# Altium PCB PCB1.PcbDoc (part 1 of 5) (continued)
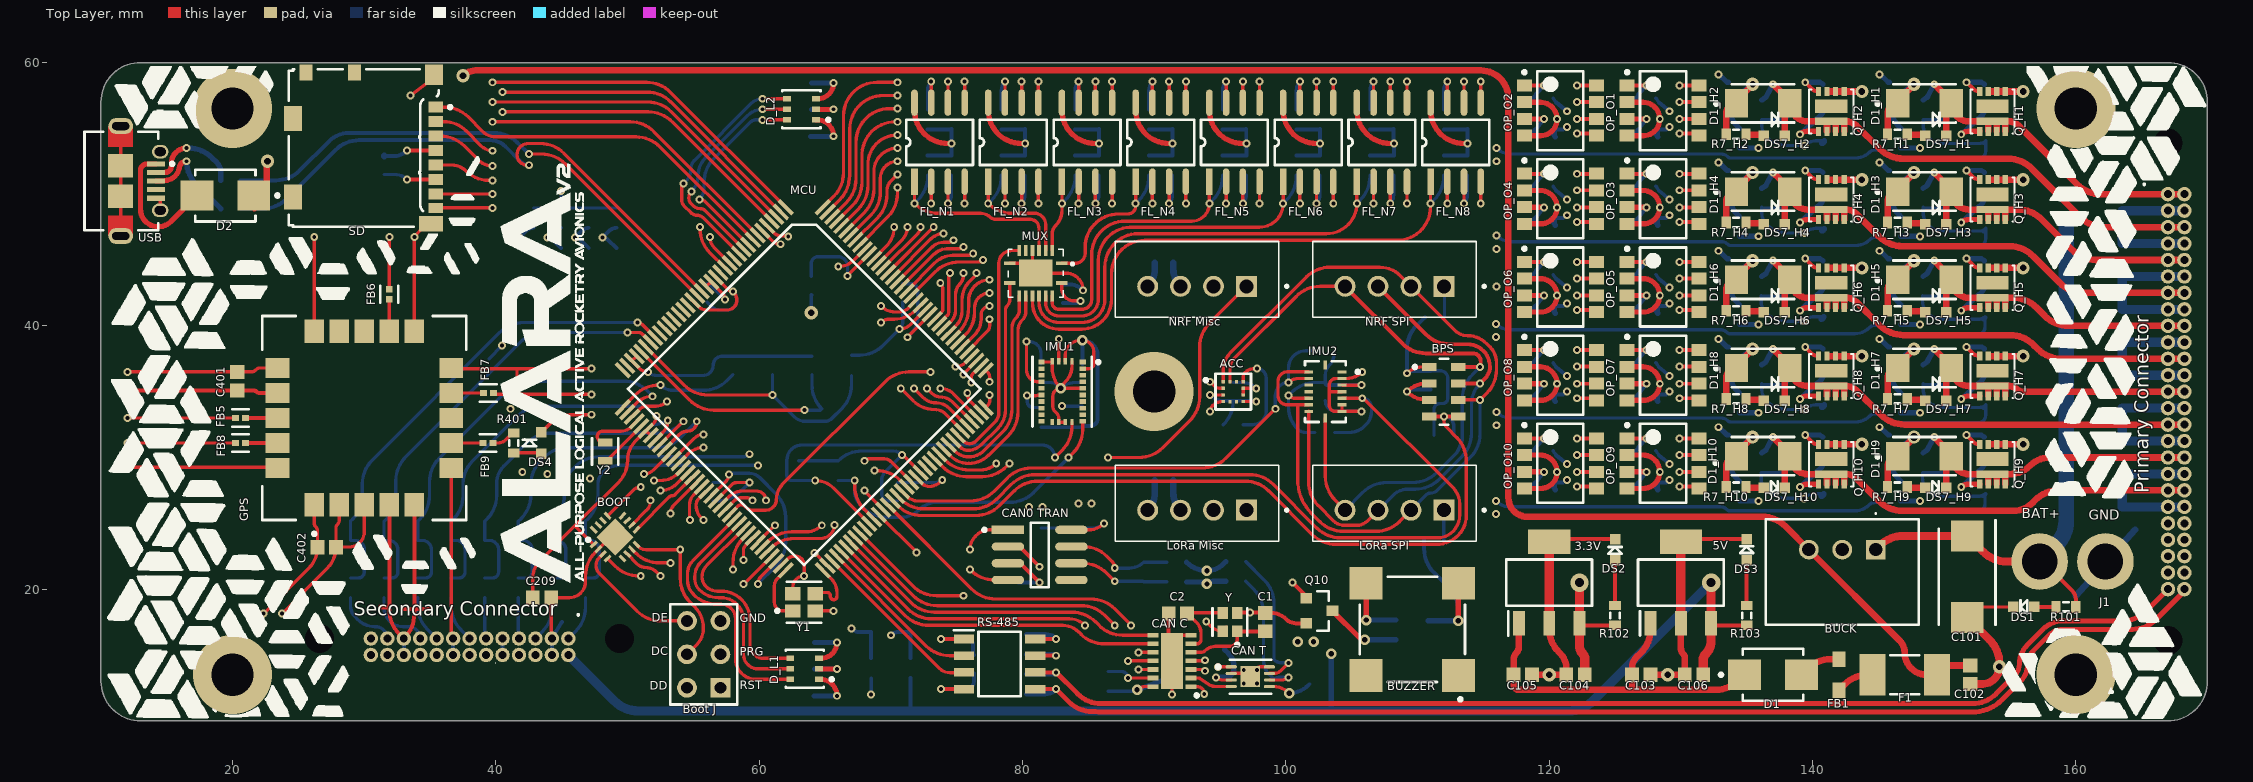
[diagram p0: Top Layer view]
## Classes and differential pairs
component class PTC5: F_PTC5
component class PTC4: F_PTC4
component class PTC3: F_PTC3
component class PTC2: F_PTC2
component class PTC1: F_PTC1
component class F8: C_F8 R1_F8 R2_F8
component class F7: C_F7 R1_F7 R2_F7
component class F6: C_F6 R1_F6 R2_F6
channel class "PTC Fuse": PTC1 PTC2 PTC3 PTC4 PTC5
component class F5: C_F5 PTC_F5 R1_F5 R2_F5
component class F4: C_F4 PTC_F4 R1_F4 R2_F4
component class F3: C_F3 PTC_F3 R1_F3 R2_F3
component class F2: C_F2 PTC_F2 R1_F2 R2_F2
component class F1: C_F1 PTC_F1 R1_F1 R2_F1
channel class "RGB LED": L1 L2
channel class "Jumpers High Low": J1 J2 J3 J4
component class L2: D_L2 LED_L2 R1_L2 R2_L2 R3_L2
component class L1: D_L1 LED_L1 R1_L1 R2_L1 R3_L1
component class J4: "JP H_J4" "JP L_J4"
component class J3: "JP H_J3" "JP L_J3"
component class J2: "JP H_J2" "JP L_J2"
component class J1: "JP H_J1" "JP L_J1"
component class B: C1 C2 C3 C4 C5 "CAN C" "CAN T" R1 R2 Y
channel class "Analog Signal Filter": F1 F2 F3 F4 F5 F6 F7 F8
channel class "Optoisolator Pair": O1 O2 O3 O4 O5 O6 O7 O8 O9 O10
component class O10: OP_O10 R1_O10 R2_O10
component class O9: OP_O9 R1_O9 R2_O9
component class O8: OP_O8 R1_O8 R2_O8
component class O7: OP_O7 R1_O7 R2_O7
component class O6: OP_O6 R1_O6 R2_O6
component class O5: OP_O5 R1_O5 R2_O5
component class O4: OP_O4 R1_O4 R2_O4
component class O3: OP_O3 R1_O3 R2_O3
component class O2: OP_O2 R1_O2 R2_O2
component class O1: OP_O1 R1_O1 R2_O1
component class H10: C_H10 D1_H10 DS7_H10 Q_H10 R3_H10 R4_H10 R5_H10 R6_H10 R7_H10 R8_H10 R9_H10
component class H9: C_H9 D1_H9 DS7_H9 Q_H9 R3_H9 R4_H9 R5_H9 R6_H9 R7_H9 R8_H9 R9_H9
component class H8: C_H8 D1_H8 DS7_H8 Q_H8 R3_H8 R4_H8 R5_H8 R6_H8 R7_H8 R8_H8 R9_H8
component class H7: C_H7 D1_H7 DS7_H7 Q_H7 R3_H7 R4_H7 R5_H7 R6_H7 R7_H7 R8_H7 R9_H7
component class H6: C_H6 D1_H6 DS7_H6 Q_H6 R3_H6 R4_H6 R5_H6 R6_H6 R7_H6 R8_H6 R9_H6
component class H5: C_H5 D1_H5 DS7_H5 Q_H5 R3_H5 R4_H5 R5_H5 R6_H5 R7_H5 R8_H5 R9_H5
component class H4: C_H4 D1_H4 DS7_H4 Q_H4 R3_H4 R4_H4 R5_H4 R6_H4 R7_H4 R8_H4 R9_H4
component class H3: C_H3 D1_H3 DS7_H3 Q_H3 R3_H3 R4_H3 R5_H3 R6_H3 R7_H3 R8_H3 R9_H3
component class H2: C_H2 D1_H2 DS7_H2 Q_H2 R3_H2 R4_H2 R5_H2 R6_H2 R7_H2 R8_H2 R9_H2
component class H1: C_H1 D1_H1 DS7_H1 Q_H1 R3_H1 R4_H1 R5_H1 R6_H1 R7_H1 R8_H1 R9_H1
channel class "High Power Output": H1 H2 H3 H4 H5 H6 H7 H8 H9 H10
channel class "NOR Flash": N1 N2 N3 N4 N5 N6 N7 N8
component class N8: C_N8 FL_N8 R1_N8 R2_N8 R3_N8
component class N7: C_N7 FL_N7 R1_N7 R2_N7 R3_N7
component class N6: C_N6 FL_N6 R1_N6 R2_N6 R3_N6
component class N5: C_N5 FL_N5 R1_N5 R2_N5 R3_N5
component class N4: C_N4 FL_N4 R1_N4 R2_N4 R3_N4
component class N3: C_N3 FL_N3 R1_N3 R2_N3 R3_N3
component class N2: C_N2 FL_N2 R1_N2 R2_N2 R3_N2
component class N1: C_N1 FL_N1 R1_N1 R2_N1 R3_N1
component class Sheet1: 3.3V 5V ACC BOOT "Boot J" BPS BUCK BUZZER C35 C39 C40 C41 C42 C43 C44 C101 C102 C103 C104 C105 C106 C201 C202 C203 C204 C205 C206 C207 C208 C209 C210 C301 C302 C401 C402 C403 C404 C405 C406 C407 C509 C601 C602 C603 C604 "CAN0 TRAN" D1 D2 DS1 DS2 DS3 DS4 F1 FB1 FB2 FB3 FB5 FB6 FB7 FB8 FB9 FL1 GPS IMU1 IMU2 J1 J2 JP1 JP2 JP3 JP4 "LoRa Misc" "LoRa SPI" MCU MUX "NRF Misc" "NRF SPI" "Primary Connector" Q10 R101 R102 R103 R104 R105 R106 R107 R201 R301 R302 R303 R304 R305 R306 R307 R308 R401 R402 R403 R405 R406 R407 R408 R601 R602 R603 RS-485 SD "Secondary Connector" USB Y1 Y2
differential pair RS485_TX: +RS485_TX_P -RS485_TX_N
differential pair RS485_RX: +RS485_RX_P -RS485_RX_N
differential pair CAN: +CAN_P -CAN_N

## Components (designator, comment, footprint, x,y, rotation, side; value= is the part's Value field where it differs from the comment)
3.3V "AZ1117CH2-3.3TRG1" SOT230P700X180-4N 120,20.5 r90 top
5V "AZ1117CH2-5.0TRG1" SOT230P700X180-4N 130,20.5 r90 top
ACC "KX134-1211" FP-KX134-1211-MFG 96,35 r0 top
BOOT "MKL02Z32VFG4" QFN50P300X300X65-17N-D 49.05,23.95 r45 top
"Boot J" "Header 3X2" HDR2X3 57.05,12.51 r90 top
BPS "MS560702BA03-50" TECO-MS560702BA03-50_V 112,35 r0 top locked
BUCK "VR10S09" VR10S09 144.8,23 r180 top
BUZZER "ST-025BH" FP-ST-025BH-MFG 109.6,16.95 r90 top locked
C1 "8pF" CAPC1608X95X40ML15T15 98.45,17.5 r270 top
C2 "8pF" CAPC1608X95X40ML15T15 91.8,18.15 r0 top
C3 "100nF" CAPC1608X95X40ML15T15 91.35,14.225 r270 bottom
C4 "100nF" CAPC1608X95X40ML15T15 101.8,13.5 r270 bottom
C5 "100nF" CAPC1608X95X40ML15T15 95.35,16.1 r270 bottom
C101 "TR3D226M035C0400" CAPPM7343X310N 151.75,20.95 r270 top
C102 "10uF" CAPC1608X95X40ML15T15 152,13.5 r90 top
C103 "10uF" CAPC1608X95X40ML15T15 127,13.5 r180 top
C104 "10uF" CAPC1608X95X40ML15T15 122,13.5 r0 top
C105 "10uF" CAPC1608X95X40ML15T15 118,13.5 r180 top
C106 "10uF" CAPC1608X95X40ML15T15 131,13.5 r0 top
C201 "10uF" CAPC1608X95X40ML15T15 63.95,43.05 r270 bottom
C202 "100nF" CAPC1608X95X40ML15T15 56.05,42.5 r270 bottom
C203 "100nF" CAPC1608X95X40ML15T15 56.5,27.4 r90 bottom
C204 "100nF" CAPC1608X95X40ML15T15 70.5,27.4 r270 bottom
C205 "100nF" CAPC1608X95X40ML15T15 70.9,42.5 r270 bottom
C206 "100nF" CAPC1608X95X40ML15T15 64,37 r270 bottom
C207 "2.2uF" CAPC1608X95X40ML15T15 61,37 r270 bottom
C208 "100nF" CAPC1608X95X40ML15T15 58,37 r270 bottom
C209 "100nF" CAPC1608X95X40ML15T15 43.5,19.35 r180 top
C210 "100nF" CAPC1608X95X40ML15T15 31.5,52.2 r90 bottom
C301 "100nF" CAPC1608X95X40ML15T15 76.3,14.31 r90 bottom
C302 "100nF" CAPC1608X95X40ML15T15 79.7,21.2 r270 bottom
C401 "1uF" CAPC1608X95X40ML15T15 20.35,35.8 r270 top
C402 "100nF" CAPC1608X95X40ML15T15 27.15,23.2 r0 top
C403 "100nF" CAPC1608X95X40ML15T15 111,35.85 r90 bottom
C404 "100nF" CAPC1608X95X40ML15T15 96,35 r270 bottom
C405 "100nF" CAPC1608X95X40ML15T15 84.55,36.4 r90 bottom
C406 "1uF" CAPC1608X95X40ML15T15 81.4,36.4 r90 bottom
C407 "100nF" CAPC1608X95X40ML15T15 103,35 r90 bottom
C509 "100nF" CAPC1608X95X40ML15T15 83.075,42.438 r90 bottom
C601 "10uF" CAPC1608X95X40ML15T15 110.8,16.9 r90 bottom
C602 "10uF" CAPC1608X95X40ML15T15 90.75,28.25 r180 bottom
C603 "10uF" CAPC1608X95X40ML15T15 90.75,44.8 r180 bottom
C604 "10uF" CAPC1608X95X40ML15T15 46.7,12.8 r45 bottom
C_F1 "100nF" CAPC1608X95X40ML15T15 46.8,23 r90 bottom (schematic designator C)
C_F2 "100nF" CAPC1608X95X40ML15T15 44.25,23 r90 bottom (schematic designator C)
C_F3 "100nF" CAPC1608X95X40ML15T15 41.7,23 r90 bottom (schematic designator C)
C_F4 "100nF" CAPC1608X95X40ML15T15 39.15,23 r90 bottom (schematic designator C)
C_F5 "100nF" CAPC1608X95X40ML15T15 36.6,23 r90 bottom (schematic designator C)
C_F6 "100nF" CAPC1608X95X40ML15T15 34.05,23 r90 bottom (schematic designator C)
C_F7 "100nF" CAPC1608X95X40ML15T15 31.5,23 r90 bottom (schematic designator C)
C_F8 "100nF" CAPC1608X95X40ML15T15 28.95,23 r90 bottom (schematic designator C)
C_H1 "100nF" CAPC1608X95X40ML15T15 153.85,54.05 r180 bottom (schematic designator C)
C_H2 "100nF" CAPC1608X95X40ML15T15 141.6,54.05 r180 bottom (schematic designator C)
C_H3 "100nF" CAPC1608X95X40ML15T15 153.85,47.35 r180 bottom (schematic designator C)
C_H4 "100nF" CAPC1608X95X40ML15T15 141.6,47.35 r180 bottom (schematic designator C)
C_H5 "100nF" CAPC1608X95X40ML15T15 153.85,40.65 r180 bottom (schematic designator C)
C_H6 "100nF" CAPC1608X95X40ML15T15 141.6,40.65 r180 bottom (schematic designator C)
C_H7 "100nF" CAPC1608X95X40ML15T15 153.85,33.95 r180 bottom (schematic designator C)
C_H8 "100nF" CAPC1608X95X40ML15T15 141.6,33.95 r180 bottom (schematic designator C)
C_H9 "100nF" CAPC1608X95X40ML15T15 153.85,27.25 r180 bottom (schematic designator C)
C_H10 "100nF" CAPC1608X95X40ML15T15 141.6,27.25 r180 bottom (schematic designator C)
C_N1 "100nF" CAPC1608X95X40ML15T15 74.59,55.65 r90 bottom (schematic designator C)
C_N2 "100nF" CAPC1608X95X40ML15T15 80.19,55.65 r90 bottom (schematic designator C)
C_N3 "100nF" CAPC1608X95X40ML15T15 85.79,55.65 r90 bottom (schematic designator C)
C_N4 "100nF" CAPC1608X95X40ML15T15 91.39,55.65 r90 bottom (schematic designator C)
C_N5 "100nF" CAPC1608X95X40ML15T15 96.99,55.65 r90 bottom (schematic designator C)
C_N6 "100nF" CAPC1608X95X40ML15T15 102.59,55.65 r90 bottom (schematic designator C)
C_N7 "100nF" CAPC1608X95X40ML15T15 108.19,55.65 r90 bottom (schematic designator C)
C_N8 "100nF" CAPC1608X95X40ML15T15 113.79,55.65 r90 bottom (schematic designator C)
"CAN0 TRAN" "SN65HVD230DR" FP-D0008A-IPC_A 81.3,22.6 r0 top
"CAN C" "MCP2517FD-H_JHA" SON65P300X450X90-15N-D 91.35,14.55 r180 top
"CAN T" "MCP2542FDT-E/MNY" FP-C04-129-MNY-MFG 97.3,13.35 r0 top
D1 "S3MB-13-F" FP-SMB-MFG 137,13.5 r0 top value=40pF
D1_H1 "SMA-2" FP-DO-214AC-MFG 148.5,56.9 r0 top (schematic designator D1)
D1_H2 "SMA-2" FP-DO-214AC-MFG 136.25,56.9 r0 top (schematic designator D1)
D1_H3 "SMA-2" FP-DO-214AC-MFG 148.5,50.2 r0 top (schematic designator D1)
D1_H4 "SMA-2" FP-DO-214AC-MFG 136.25,50.2 r0 top (schematic designator D1)
D1_H5 "SMA-2" FP-DO-214AC-MFG 148.5,43.5 r0 top (schematic designator D1)
D1_H6 "SMA-2" FP-DO-214AC-MFG 136.25,43.5 r0 top (schematic designator D1)
D1_H7 "SMA-2" FP-DO-214AC-MFG 148.5,36.8 r0 top (schematic designator D1)
D1_H8 "SMA-2" FP-DO-214AC-MFG 136.25,36.8 r0 top (schematic designator D1)
D1_H9 "SMA-2" FP-DO-214AC-MFG 148.5,30.1 r0 top (schematic designator D1)
D1_H10 "SMA-2" FP-DO-214AC-MFG 136.25,30.1 r0 top (schematic designator D1)
D2 "S3MB-13-F" FP-SMB-MFG 19.45,49.9 r180 top value=40pF
D_L1 "CLY6D-FKC-CK1N1D1BB7D3D3" FP-CLY6D-FKC-MFG 63.45,13.95 r180 top (schematic designator D)
D_L2 "CLY6D-FKC-CK1N1D1BB7D3D3" FP-CLY6D-FKC-MFG 63.2,56.45 r180 top (schematic designator D)
DS1 "150060VS75000" WE-150060VS75000_V 156.05,18.65 r0 top
DS2 "150060VS75000" WE-150060VS75000_V 125,23 r270 top
DS3 "150060VS75000" WE-150060VS75000_V 135,23 r270 top
DS4 "150060VS75000" WE-150060VS75000_V 43.45,31.1 r270 top
DS7_H1 "150060VS75000" WE-150060VS75000_V 149.35,54.425 r180 top (schematic designator DS7)
DS7_H2 "150060VS75000" WE-150060VS75000_V 137.1,54.425 r180 top (schematic designator DS7)
DS7_H3 "150060VS75000" WE-150060VS75000_V 149.35,47.725 r180 top (schematic designator DS7)
DS7_H4 "150060VS75000" WE-150060VS75000_V 137.1,47.725 r180 top (schematic designator DS7)
DS7_H5 "150060VS75000" WE-150060VS75000_V 149.35,41.025 r180 top (schematic designator DS7)
DS7_H6 "150060VS75000" WE-150060VS75000_V 137.1,41.025 r180 top (schematic designator DS7)
DS7_H7 "150060VS75000" WE-150060VS75000_V 149.35,34.325 r180 top (schematic designator DS7)
DS7_H8 "150060VS75000" WE-150060VS75000_V 137.1,34.325 r180 top (schematic designator DS7)
DS7_H9 "150060VS75000" WE-150060VS75000_V 149.35,27.7 r180 top (schematic designator DS7)
DS7_H10 "150060VS75000" WE-150060VS75000_V 137.1,27.7 r180 top (schematic designator DS7)
F1 "0451001.MRL" FP-0451-MFG 147,13.5 r180 top value=0.078Ω
F_PTC1 "2016L150_33DR" FUSC5141X160N 161.4,48.1 r0 bottom (schematic designator F)
F_PTC2 "2016L150_33DR" FUSC5141X160N 161.4,43 r0 bottom (schematic designator F)
F_PTC3 "2016L150_33DR" FUSC5141X160N 161.4,37.9 r0 bottom (schematic designator F)
F_PTC4 "2016L150_33DR" FUSC5141X160N 161.4,32.8 r0 bottom (schematic designator F)
F_PTC5 "2016L150_33DR" FUSC5141X160N 161.4,27.7 r0 bottom (schematic designator F)
FB1 "742792023" SMD-0805 142,13.5 r90 top
FB2 "742792651" SMD-0603 67,37 r90 bottom
FB3 "742792651" SMD-0603 55,37 r270 bottom
FB5 "BLM15HD102SN1D" FP-BLM15-0_05-IPC_C 20.6,33 r0 top
FB6 "BLM15HD102SN1D" FP-BLM15-0_05-IPC_C 31.9,42.4 r270 top
FB7 "BLM15HD102SN1D" FP-BLM15-0_05-IPC_C 39.429,34.9 r180 top
FB8 "BLM15HD102SN1D" FP-BLM15-0_05-IPC_C 20.6,31.1 r180 top
FB9 "BLM15HD102SN1D" FP-BLM15-0_05-IPC_C 39.4,31.1 r0 top
FL_N1 "omponent_1" "SOIC-8 - duplicate" 71.79,50.95 r90 top (schematic designator FL)
FL_N2 "omponent_1" "SOIC-8 - duplicate" 77.39,50.95 r90 top (schematic designator FL)
FL_N3 "omponent_1" "SOIC-8 - duplicate" 82.99,50.95 r90 top (schematic designator FL)
FL_N4 "omponent_1" "SOIC-8 - duplicate" 88.59,50.95 r90 top (schematic designator FL)
FL_N5 "omponent_1" "SOIC-8 - duplicate" 94.19,50.95 r90 top (schematic designator FL)
FL_N6 "omponent_1" "SOIC-8 - duplicate" 99.79,50.95 r90 top (schematic designator FL)
FL_N7 "omponent_1" "SOIC-8 - duplicate" 105.39,50.95 r90 top (schematic designator FL)
FL_N8 "omponent_1" "SOIC-8 - duplicate" 110.99,50.95 r90 top (schematic designator FL)
GPS "SAM-M8Q-0-10" FP-SAM-M8Q-0-10-MFG 30,33 r90 top locked
IMU1 "BNO055" FP-BNO055-MFG 83,35 r0 top locked
IMU2 "BMI085" FP-BMI055-MFG 103,35 r0 top locked
J1 "XT30" XT30 157.25,22.1 r0 top
JP1 "0603" J1-0603 96.2,22.1 r0 bottom value=0
JP2 "0603" J1-0603 96.2,20.6 r180 bottom value=0
JP3 "0603" J1-0603 91.7,22.05 r0 bottom value=0
JP4 "0603" J1-0603 91.7,20.55 r0 bottom value=0
"JP H_J1" "0603" J1-0603 49.15,48.2 r270 bottom (schematic designator "JP H")
"JP H_J2" "0603" J1-0603 47.05,48.2 r270 bottom (schematic designator "JP H")
"JP H_J3" "0603" J1-0603 44.95,48.2 r270 bottom (schematic designator "JP H")
"JP H_J4" "0603" J1-0603 42.85,48.2 r270 bottom (schematic designator "JP H")
"JP L_J1" "0603" J1-0603 49.15,45.15 r270 bottom (schematic designator "JP L")
"JP L_J2" "0603" J1-0603 47.05,45.15 r270 bottom (schematic designator "JP L")
"JP L_J3" "0603" J1-0603 44.95,45.15 r270 bottom (schematic designator "JP L")
"JP L_J4" "0603" J1-0603 42.85,45.15 r270 bottom (schematic designator "JP L")
"LoRa Misc" "B4B-XH-A(LF)(SN)" JST_B4B-XH-A(LF)(SN) 97,26 r180 top locked
"LoRa SPI" "B4B-XH-A(LF)(SN)" JST_B4B-XH-A(LF)(SN) 112,26 r180 top locked
MCU "MK66FX1M0" "LQFP144 0.5mm Pitch" 62,49 r315 top locked
MUX "SN74CB3Q3251RGYR" SN74CBT3257CRGYR 81,44 r180 top locked
"NRF Misc" "B4B-XH-A(LF)(SN)" JST_B4B-XH-A(LF)(SN) 97,43 r180 top locked
"NRF SPI" "B4B-XH-A(LF)(SN)" JST_B4B-XH-A(LF)(SN) 112,43 r180 top locked
OP_O1 "ILD207T" VISH-SOIC-8_C_V 128.65,56.35 r0 top (schematic designator OP)
OP_O2 "ILD207T" VISH-SOIC-8_C_V 120.85,56.35 r0 top (schematic designator OP)
OP_O3 "ILD207T" VISH-SOIC-8_C_V 128.65,49.65 r0 top (schematic designator OP)
OP_O4 "ILD207T" VISH-SOIC-8_C_V 120.85,49.65 r0 top (schematic designator OP)
OP_O5 "ILD207T" VISH-SOIC-8_C_V 128.65,42.95 r0 top (schematic designator OP)
OP_O6 "ILD207T" VISH-SOIC-8_C_V 120.85,42.95 r0 top (schematic designator OP)
OP_O7 "ILD207T" VISH-SOIC-8_C_V 128.65,36.25 r0 top (schematic designator OP)
OP_O8 "ILD207T" VISH-SOIC-8_C_V 120.85,36.25 r0 top (schematic designator OP)
OP_O9 "ILD207T" VISH-SOIC-8_C_V 128.65,29.55 r0 top (schematic designator OP)
OP_O10 "ILD207T" VISH-SOIC-8_C_V 120.85,29.55 r0 top (schematic designator OP)
"Primary Connector" "G125-MH15005M4P" G125-MH15005M4P 167,50 r90 top locked
Q10 "DMG2302U-7" FP-SOT23-MFG 102.55,18.35 r0 top
Q_H1 "SIZ340DT-T1-GE3" MOSFET_DT-T1-GE3_VIS 153.675,56.289 r90 top (schematic designator Q)
Q_H2 "SIZ340DT-T1-GE3" MOSFET_DT-T1-GE3_VIS 141.425,56.289 r90 top (schematic designator Q)
Q_H3 "SIZ340DT-T1-GE3" MOSFET_DT-T1-GE3_VIS 153.675,49.589 r90 top (schematic designator Q)
Q_H4 "SIZ340DT-T1-GE3" MOSFET_DT-T1-GE3_VIS 141.425,49.589 r90 top (schematic designator Q)
Q_H5 "SIZ340DT-T1-GE3" MOSFET_DT-T1-GE3_VIS 153.675,42.889 r90 top (schematic designator Q)
Q_H6 "SIZ340DT-T1-GE3" MOSFET_DT-T1-GE3_VIS 141.425,42.889 r90 top (schematic designator Q)
Q_H7 "SIZ340DT-T1-GE3" MOSFET_DT-T1-GE3_VIS 153.675,36.189 r90 top (schematic designator Q)
Q_H8 "SIZ340DT-T1-GE3" MOSFET_DT-T1-GE3_VIS 141.425,36.189 r90 top (schematic designator Q)
Q_H9 "SIZ340DT-T1-GE3" MOSFET_DT-T1-GE3_VIS 153.675,29.489 r90 top (schematic designator Q)
Q_H10 "SIZ340DT-T1-GE3" MOSFET_DT-T1-GE3_VIS 141.425,29.489 r90 top (schematic designator Q)
R1 "0603" J1-0603 99.1,13.9 r270 bottom value=120
R1_F1 "0603" J1-0603 46.8,20.1 r90 bottom value=4.7k (schematic designator R1)
R1_F2 "0603" J1-0603 44.25,20.1 r90 bottom value=4.7k (schematic designator R1)
R1_F3 "0603" J1-0603 41.7,20.1 r90 bottom value=4.7k (schematic designator R1)
R1_F4 "0603" J1-0603 39.15,20.1 r90 bottom value=4.7k (schematic designator R1)
R1_F5 "0603" J1-0603 36.6,20.1 r90 bottom value=4.7k (schematic designator R1)
R1_F6 "0603" J1-0603 34.05,20.1 r90 bottom value=4.7k (schematic designator R1)
R1_F7 "0603" J1-0603 31.5,20.1 r90 bottom value=4.7k (schematic designator R1)
R1_F8 "0603" J1-0603 28.95,20.1 r90 bottom value=4.7k (schematic designator R1)
R1_L1 "0603" J1-0603 63.45,15.95 r0 bottom value=120 (schematic designator R1)
R1_L2 "0603" J1-0603 63.2,58.45 r0 bottom value=120 (schematic designator R1)
R1_N1 "0603" J1-0603 72.79,52.2 r270 bottom value=10k (schematic designator R1)
R1_N2 "0603" J1-0603 78.39,52.2 r270 bottom value=10k (schematic designator R1)
R1_N3 "0603" J1-0603 83.99,52.2 r270 bottom value=10k (schematic designator R1)
R1_N4 "0603" J1-0603 89.59,52.2 r270 bottom value=10k (schematic designator R1)
R1_N5 "0603" J1-0603 95.19,52.2 r270 bottom value=10k (schematic designator R1)
R1_N6 "0603" J1-0603 100.79,52.2 r270 bottom value=10k (schematic designator R1)
R1_N7 "0603" J1-0603 106.39,52.2 r270 bottom value=10k (schematic designator R1)
R1_N8 "0603" J1-0603 111.99,52.2 r270 bottom value=10k (schematic designator R1)
R1_O1 "0603" J1-0603 127.35,54.6 r0 bottom value=470 (schematic designator R1)
R1_O2 "0603" J1-0603 119.55,54.6 r0 bottom value=470 (schematic designator R1)
R1_O3 "0603" J1-0603 127.35,47.9 r0 bottom value=470 (schematic designator R1)
R1_O4 "0603" J1-0603 119.55,47.9 r0 bottom value=470 (schematic designator R1)
R1_O5 "0603" J1-0603 127.35,41.2 r0 bottom value=470 (schematic designator R1)
R1_O6 "0603" J1-0603 119.55,41.2 r0 bottom value=470 (schematic designator R1)
R1_O7 "0603" J1-0603 127.35,34.5 r0 bottom value=470 (schematic designator R1)
R1_O8 "0603" J1-0603 119.55,34.5 r0 bottom value=470 (schematic designator R1)
R1_O9 "0603" J1-0603 127.35,27.8 r0 bottom value=470 (schematic designator R1)
R1_O10 "0603" J1-0603 119.55,27.8 r0 bottom value=470 (schematic designator R1)
R2 "0603" J1-0603 86.5,13 r270 bottom value=10k
R2_F1 "0603" J1-0603 46.8,25.9 r90 bottom value=1.5k (schematic designator R2)
R2_F2 "0603" J1-0603 44.25,25.9 r90 bottom value=1.5k (schematic designator R2)
R2_F3 "0603" J1-0603 41.7,25.9 r90 bottom value=1.5k (schematic designator R2)
R2_F4 "0603" J1-0603 39.15,25.9 r90 bottom value=1.5k (schematic designator R2)
R2_F5 "0603" J1-0603 36.6,25.9 r90 bottom value=1.5k (schematic designator R2)
R2_F6 "0603" J1-0603 34.05,25.9 r90 bottom value=1.5k (schematic designator R2)
R2_F7 "0603" J1-0603 31.5,25.9 r90 bottom value=1.5k (schematic designator R2)
R2_F8 "0603" J1-0603 28.95,25.9 r90 bottom value=1.5k (schematic designator R2)
R2_L1 "0603" J1-0603 63.45,13.95 r180 bottom value=120 (schematic designator R2)
R2_L2 "0603" J1-0603 63.2,56.45 r180 bottom value=120 (schematic designator R2)
R2_N1 "0603" J1-0603 74.59,52.2 r270 bottom value=10k (schematic designator R2)
R2_N2 "0603" J1-0603 80.19,52.2 r270 bottom value=10k (schematic designator R2)
R2_N3 "0603" J1-0603 85.79,52.2 r270 bottom value=10k (schematic designator R2)
R2_N4 "0603" J1-0603 91.39,52.2 r270 bottom value=10k (schematic designator R2)
R2_N5 "0603" J1-0603 96.99,52.2 r270 bottom value=10k (schematic designator R2)
R2_N6 "0603" J1-0603 102.59,52.2 r270 bottom value=10k (schematic designator R2)
R2_N7 "0603" J1-0603 108.19,52.2 r270 bottom value=10k (schematic designator R2)
R2_N8 "0603" J1-0603 113.79,52.2 r270 bottom value=10k (schematic designator R2)
R2_O1 "0603" J1-0603 127.35,57.3 r0 bottom value=470 (schematic designator R2)
R2_O2 "0603" J1-0603 119.55,57.3 r0 bottom value=470 (schematic designator R2)
R2_O3 "0603" J1-0603 127.35,50.6 r0 bottom value=470 (schematic designator R2)
R2_O4 "0603" J1-0603 119.55,50.6 r0 bottom value=470 (schematic designator R2)
R2_O5 "0603" J1-0603 127.35,43.9 r0 bottom value=470 (schematic designator R2)
R2_O6 "0603" J1-0603 119.55,43.9 r0 bottom value=470 (schematic designator R2)
R2_O7 "0603" J1-0603 127.35,37.2 r0 bottom value=470 (schematic designator R2)
R2_O8 "0603" J1-0603 119.55,37.2 r0 bottom value=470 (schematic designator R2)
R2_O9 "0603" J1-0603 127.35,30.5 r0 bottom value=470 (schematic designator R2)
R2_O10 "0603" J1-0603 119.55,30.5 r0 bottom value=470 (schematic designator R2)
R3_H1 "0603" J1-0603 146.7,54.25 r90 bottom value=10k (schematic designator R3)
R3_H2 "0603" J1-0603 134.45,54.25 r90 bottom value=10k (schematic designator R3)
R3_H3 "0603" J1-0603 146.7,47.55 r90 bottom value=10k (schematic designator R3)
R3_H4 "0603" J1-0603 134.45,47.55 r90 bottom value=10k (schematic designator R3)
R3_H5 "0603" J1-0603 146.7,40.85 r90 bottom value=10k (schematic designator R3)
R3_H6 "0603" J1-0603 134.45,40.85 r90 bottom value=10k (schematic designator R3)
R3_H7 "0603" J1-0603 146.7,34.15 r90 bottom value=10k (schematic designator R3)
R3_H8 "0603" J1-0603 134.45,34.15 r90 bottom value=10k (schematic designator R3)
R3_H9 "0603" J1-0603 146.7,27.45 r90 bottom value=10k (schematic designator R3)
R3_H10 "0603" J1-0603 134.45,27.45 r90 bottom value=10k (schematic designator R3)
R3_L1 "0603" J1-0603 63.45,11.9 r180 bottom value=470 (schematic designator R3)
R3_L2 "0603" J1-0603 63.2,54.4 r180 bottom value=470 (schematic designator R3)
R3_N1 "0603" J1-0603 72.79,55.65 r90 bottom value=10k (schematic designator R3)
R3_N2 "0603" J1-0603 78.39,55.65 r90 bottom value=10k (schematic designator R3)
R3_N3 "0603" J1-0603 83.99,55.65 r90 bottom value=10k (schematic designator R3)
R3_N4 "0603" J1-0603 89.59,55.65 r90 bottom value=10k (schematic designator R3)
R3_N5 "0603" J1-0603 95.19,55.65 r90 bottom value=10k (schematic designator R3)
R3_N6 "0603" J1-0603 100.79,55.65 r90 bottom value=10k (schematic designator R3)
R3_N7 "0603" J1-0603 106.39,55.65 r90 bottom value=10k (schematic designator R3)
R3_N8 "0603" J1-0603 111.99,55.65 r90 bottom value=10k (schematic designator R3)
R4_H1 "0603" J1-0603 145.85,57.75 r270 bottom value=10k (schematic designator R4)
R4_H2 "0603" J1-0603 133.6,57.75 r270 bottom value=10k (schematic designator R4)
R4_H3 "0603" J1-0603 145.85,51.05 r270 bottom value=10k (schematic designator R4)
R4_H4 "0603" J1-0603 133.6,51.05 r270 bottom value=10k (schematic designator R4)
R4_H5 "0603" J1-0603 145.85,44.35 r270 bottom value=10k (schematic designator R4)
R4_H6 "0603" J1-0603 133.6,44.35 r270 bottom value=10k (schematic designator R4)
R4_H7 "0603" J1-0603 145.85,37.65 r270 bottom value=10k (schematic designator R4)
R4_H8 "0603" J1-0603 133.6,37.65 r270 bottom value=10k (schematic designator R4)
R4_H9 "0603" J1-0603 145.85,30.95 r270 bottom value=10k (schematic designator R4)
R4_H10 "0603" J1-0603 133.6,30.95 r270 bottom value=10k (schematic designator R4)
R5_H1 "0603" J1-0603 153.8,56.25 r180 bottom value=10k (schematic designator R5)
R5_H2 "0603" J1-0603 141.55,56.25 r180 bottom value=10k (schematic designator R5)
R5_H3 "0603" J1-0603 153.8,49.55 r180 bottom value=10k (schematic designator R5)
R5_H4 "0603" J1-0603 141.55,49.55 r180 bottom value=10k (schematic designator R5)
R5_H5 "0603" J1-0603 153.8,42.85 r180 bottom value=10k (schematic designator R5)
R5_H6 "0603" J1-0603 141.55,42.85 r180 bottom value=10k (schematic designator R5)
R5_H7 "0603" J1-0603 153.8,36.15 r180 bottom value=10k (schematic designator R5)
R5_H8 "0603" J1-0603 141.55,36.15 r180 bottom value=10k (schematic designator R5)
R5_H9 "0603" J1-0603 153.8,29.45 r180 bottom value=10k (schematic designator R5)
R5_H10 "0603" J1-0603 141.55,29.45 r180 bottom value=10k (schematic designator R5)
R6_H1 "0603" J1-0603 153.8,58.35 r180 bottom value=10k (schematic designator R6)
R6_H2 "0603" J1-0603 141.55,58.35 r180 bottom value=10k (schematic designator R6)
R6_H3 "0603" J1-0603 153.8,51.65 r180 bottom value=10k (schematic designator R6)
R6_H4 "0603" J1-0603 141.55,51.65 r180 bottom value=10k (schematic designator R6)
R6_H5 "0603" J1-0603 153.8,44.95 r180 bottom value=10k (schematic designator R6)
R6_H6 "0603" J1-0603 141.55,44.95 r180 bottom value=10k (schematic designator R6)
R6_H7 "0603" J1-0603 153.8,38.25 r180 bottom value=10k (schematic designator R6)
R6_H8 "0603" J1-0603 141.55,38.25 r180 bottom value=10k (schematic designator R6)
R6_H9 "0603" J1-0603 153.8,31.55 r180 bottom value=10k (schematic designator R6)
R6_H10 "0603" J1-0603 141.55,31.55 r180 bottom value=10k (schematic designator R6)
R7_H1 "0603" J1-0603 146.45,54.55 r180 top value=1.5k (schematic designator R7)
R7_H2 "0603" J1-0603 134.2,54.55 r180 top value=1.5k (schematic designator R7)
R7_H3 "0603" J1-0603 146.45,47.85 r180 top value=1.5k (schematic designator R7)
R7_H4 "0603" J1-0603 134.2,47.85 r180 top value=1.5k (schematic designator R7)
R7_H5 "0603" J1-0603 146.45,41.15 r180 top value=1.5k (schematic designator R7)
R7_H6 "0603" J1-0603 134.2,41.15 r180 top value=1.5k (schematic designator R7)
R7_H7 "0603" J1-0603 146.45,34.45 r180 top value=1.5k (schematic designator R7)
R7_H8 "0603" J1-0603 134.2,34.45 r180 top value=1.5k (schematic designator R7)
R7_H9 "0603" J1-0603 146.45,27.75 r180 top value=1.5k (schematic designator R7)
R7_H10 "0603" J1-0603 134.2,27.75 r180 top value=1.5k (schematic designator R7)
R8_H1 "0603" J1-0603 148.4,56.4 r90 bottom value=330k (schematic designator R8)
R8_H2 "0603" J1-0603 136.15,56.4 r90 bottom value=330k (schematic designator R8)
R8_H3 "0603" J1-0603 148.4,49.7 r90 bottom value=330k (schematic designator R8)
R8_H4 "0603" J1-0603 136.15,49.7 r90 bottom value=330k (schematic designator R8)
R8_H5 "0603" J1-0603 148.4,43 r90 bottom value=330k (schematic designator R8)
R8_H6 "0603" J1-0603 136.15,43 r90 bottom value=330k (schematic designator R8)
R8_H7 "0603" J1-0603 148.4,36.3 r90 bottom value=330k (schematic designator R8)
R8_H8 "0603" J1-0603 136.15,36.3 r90 bottom value=330k (schematic designator R8)
R8_H9 "0603" J1-0603 148.4,29.6 r90 bottom value=330k (schematic designator R8)
R8_H10 "0603" J1-0603 136.15,29.6 r90 bottom value=330k (schematic designator R8)
R9_H1 "0603" J1-0603 150.5,57.7 r270 bottom value=10k (schematic designator R9)
R9_H2 "0603" J1-0603 138.25,57.7 r270 bottom value=10k (schematic designator R9)
R9_H3 "0603" J1-0603 150.5,51 r270 bottom value=10k (schematic designator R9)
R9_H4 "0603" J1-0603 138.25,51 r270 bottom value=10k (schematic designator R9)
R9_H5 "0603" J1-0603 150.5,44.3 r270 bottom value=10k (schematic designator R9)
R9_H6 "0603" J1-0603 138.25,44.3 r270 bottom value=10k (schematic designator R9)
R9_H7 "0603" J1-0603 150.5,37.6 r270 bottom value=10k (schematic designator R9)
R9_H8 "0603" J1-0603 138.25,37.6 r270 bottom value=10k (schematic designator R9)
R9_H9 "0603" J1-0603 150.5,30.9 r270 bottom value=10k (schematic designator R9)
R9_H10 "0603" J1-0603 138.25,30.9 r270 bottom value=10k (schematic designator R9)
R101 "0603" J1-0603 159.25,18.65 r0 top value=4.7k
R102 "0603" J1-0603 125,18 r270 top value=470
R103 "0603" J1-0603 135,18 r270 top value=470
R104 "0603" J1-0603 68.5,14 r90 bottom value=10k
R105 "0603" J1-0603 68.5,17.5 r90 bottom value=4.7k
R106 "0603" J1-0603 71.5,14 r90 bottom value=10k
R107 "0603" J1-0603 71.5,17.5 r90 bottom value=1.5k
R201 "0603" J1-0603 65.5,33.7 r0 bottom value=470
R301 "0603" J1-0603 19.85,51.05 r180 bottom value=33
R302 "0603" J1-0603 19.85,48.9 r180 bottom value=33
R303 "0603" J1-0603 63,29 r270 bottom value=4.7k
R304 "0603" J1-0603 66,29 r90 bottom value=4.7k
R305 "0603" J1-0603 80.3,15.8 r90 bottom value=120
R306 "0603" J1-0603 80.3,12.8 r270 bottom value=120
R307 "0603" J1-0603 81.4,23.9 r270 bottom value=10k
R308 "0603" J1-0603 89.2,21.3 r270 bottom value=120
R401 "0603" J1-0603 41.35,31.1 r270 top value=470
R402 "0603" J1-0603 112,31.7 r0 bottom value=10k
R403 "0603" J1-0603 96,32.5 r0 bottom value=10k
R405 "0603" J1-0603 81.4,33.05 r90 bottom value=10k
R406 "0603" J1-0603 84.55,33.15 r270 bottom value=10k
R407 "0603" J1-0603 102.95,31.9 r0 bottom value=10k
R408 "0603" J1-0603 102.9,38.1 r180 bottom value=10k
R601 "0603" J1-0603 108.35,16.9 r90 bottom value=33
R602 "0603" J1-0603 111.3,40.65 r0 bottom value=10k
R603 "0603" J1-0603 111.25,23.7 r0 bottom value=10k
RS-485 "SN65LBC179D" SOIC127P600X175-8N 78.25,14.31 r0 top
SD "104031-0811" MOLX-104031-0811_V 30,53.5 r90 top
"Secondary Connector" "G125-MH12605M4P" G125-MH12605M4P 45.5,16.25 r0 top locked
USB "47589-0001" MOLX-47589-0001_V 13,51 r270 top
Y "" FP-CX2016DB-MFG 95.75,17.5 r90 top
Y1 "NX2520SA-16MHZ-STD-CSW-5" FP-NX2520SA-MFG 63.4,19 r0 top locked
Y2 "ECS-.327-12.5-12-TR" FP-ECX-12-MFG 48.3,30.45 r270 top locked

## Footprints (in the part's own frame and the unit in brackets; to place one, negate y for a bottom-side part, rotate by r counter-clockwise, add the part's x,y. Pads: shape width x height; smd on the part's side, far side on the other; paste and mask are expansions set on the pad)
CAPC1608X95X40ML15T15 [mm] "Chip Capacitor, 2-Leads, Body 1.60x0.80mm, IPC Low Density"
  rect 1.05x1.1 smd: 1(-0.7,0) 2(0.7,0)
  body extent -0.88,-0.48 0.87,0.47, height 0.95
CAPPM7343X310N [mm]
  rect 2.35x2.45 smd: 1(-3.1,0) 2(3.1,0)
  silkscreen extent -4.28,-2.15 3.65,2.15, body extent -3.59,-2.21 3.6,2.21, height 2.92
FP-0451-MFG [mil]
  rect 77x124 smd paste+0 mask+0: 1(-96.5,0) 2(96.5,0)
  silkscreen extent -43,-58 43,58, body extent -139,-66 139,66, height 10
FP-BLM15-0_05-IPC_C [mm]
  rect 0.515x0.472 smd paste+0 mask+0: 1(-0.379,0) 2(0.379,0)
  silkscreen extent -0.64,-0.67 0.64,0.67, body extent -0.74,-0.38 0.74,0.38, height 0.25
FP-BMI055-MFG [mm]
  rect 0.675x0.25 smd paste+0 mask+0: 1(1.263,1.5) 2(1.263,1) 3(1.263,0.5) 4(1.263,0) 5(1.263,-0.5) 6(1.263,-1) 7(1.263,-1.5) 9(-1.263,-1.5) 10(-1.263,-1) 11(-1.263,-0.5) 12(-1.263,0) 13(-1.263,0.5) 14(-1.263,1) 15(-1.263,1.5)
  rect 0.25x0.675 smd paste+0 mask+0: 8(0,-2.013) 16(0,2.013)
  silkscreen extent -1.55,-2.3 2.58,2.3, body extent -2.1,-2.85 2.1,2.85, height 0.25
FP-BNO055-MFG [mm]
  rect 0.475x0.35 smd paste+0 mask-1000: 1(1.563,2.25) 6(-1.562,2.25) 7(-1.562,1.75) 8(-1.562,1.25) 9(-1.562,0.75) 10(-1.562,0.25) 11(-1.562,-0.25) 12(-1.562,-0.75) 13(-1.562,-1.25) 14(-1.562,-1.75) 15(-1.562,-2.25) 20(1.563,-2.25) 21(1.563,-1.75) 22(1.563,-1.25) 23(1.563,-0.75) 24(1.563,-0.25) 25(1.563,0.25) 26(1.563,0.75) 27(1.563,1.25) 28(1.563,1.75)
  rect 0.25x0.475 smd paste+0 mask-1000: 2(0.75,2.313) 3(0.25,2.313) 4(-0.25,2.313) 5(-0.75,2.313) 16(-0.75,-2.312) 17(-0.25,-2.312) 18(0.25,-2.312) 19(0.75,-2.312)
  silkscreen extent -2.25,-2.65 2.88,2.65, body extent -2.45,-3.15 2.45,3.15, height 0.25
FP-C04-129-MNY-MFG [mm]
  rrect100% 0.85x0.25 smd paste+0 mask+0: 1(-1.45,0.75) 2(-1.45,0.25) 3(-1.45,-0.25) 4(-1.45,-0.75) 5(1.45,-0.75) 6(1.45,-0.25) 7(1.45,0.25) 8(1.45,0.75)
  rect 1.5x1.6 smd paste+0 mask+0: 9(0,0)
  silkscreen extent -2.57,-1.3 1.58,1.3, body extent -1.97,-1.18 1.97,1.17, height 0.25
FP-CLY6D-FKC-MFG [mm]
  rect 0.6x0.4 smd paste+0 mask+0: 1(-1.1,0.8) 2(-1.1,0) 3(-1.1,-0.8) 4(1.1,-0.8) 5(1.1,0) 6(1.1,0.8)
  silkscreen extent -2.18,-1.45 1.45,1.45, body extent -1.55,-1.55 1.55,1.55, height 0.25
FP-CX2016DB-MFG [mm]
  rect 0.9x0.8 smd paste+0 mask+0: 1(-0.7,-0.55) 2(0.7,-0.55) 3(0.7,0.55) 4(-0.7,0.55)
  silkscreen extent -1.85,-1.33 1.05,1.33, body extent -1.25,-1.05 1.25,1.05, height 0.25
FP-D0008A-IPC_A [mm]
  rect 2.469x0.622 smd paste+0 mask+0: 1(-2.414,1.905)
  rrect100% 2.469x0.622 smd paste+0 mask+0: 2(-2.414,0.635) 3(-2.414,-0.635) 4(-2.414,-1.905) 5(2.414,-1.905) 6(2.414,-0.635) 7(2.414,0.635) 8(2.414,1.905)
  silkscreen extent -4.32,-2.45 0.68,2.45, body extent -4.15,-2.95 4.15,2.95, height 0.25
FP-DO-214AC-MFG [mm]
  rect 1.78x2.16 smd paste+0 mask+0: 1(-2.025,0) 2(2.025,0)
  silkscreen extent -3.67,-1.46 2.37,1.46, body extent -3.02,-1.56 3.02,1.56, height 0.25
FP-ECX-12-MFG [mm]
  rect 0.6x1.1 smd paste+0 mask+0: 1(-0.7,0) 2(0.7,0)
  silkscreen extent -1,-1 1,1, body extent -1.15,-0.75 1.15,0.75, height 0.25
FP-KX134-1211-MFG [mm]
  rect 0.275x0.25 smd paste-1000 mask+0: 1(-0.763,0.75) 2(-0.763,0.25) 3(-0.763,-0.25) 4(-0.763,-0.75) 7(0.762,-0.75) 8(0.762,-0.25) 9(0.762,0.25) 10(0.762,0.75)
  rect 0.25x0.275 smd paste-1000 mask+0: 5(-0.25,-0.763) 6(0.25,-0.763) 11(0.25,0.762) 12(-0.25,0.762)
  silkscreen extent -2.2,-1.35 1.35,1.35, body extent -1.54,-1.54 1.54,1.54, height 0.25
FP-NX2520SA-MFG [mm]
  rect 1.2x1 smd paste+0 mask+0: 1(-0.85,-0.65) 2(0.85,-0.65) 3(0.85,0.65) 4(-0.85,0.65)
  silkscreen extent -2.15,-1.56 1.3,1.58, body extent -1.55,-1.25 1.55,1.25, height 0.25
FP-SAM-M8Q-0-10-MFG [mm]
  rect 1.8x1.5 smd paste-1000 mask+0: 1(-6.6,3.8) 2(-6.6,1.9) 3(-6.6,0) 4(-6.6,-1.9) 5(-6.6,-3.8) 11(6.6,-3.8) 12(6.6,-1.9) 13(6.6,0) 14(6.6,1.9) 15(6.6,3.8)
  rect 1.5x1.8 smd paste-1000 mask+0: 6(-3.8,-6.6) 7(-1.9,-6.6) 8(0,-6.6) 9(1.9,-6.6) 10(3.8,-6.6) 16(3.8,6.6) 17(1.9,6.6) 18(0,6.6) 19(-1.9,6.6) 20(-3.8,6.6)
  silkscreen extent -8.92,-7.75 7.75,7.75
FP-SMB-MFG [mm]
  rect 2.5x2.3 smd paste+0 mask+0: 1(-2.15,0) 2(2.15,0)
  silkscreen extent -4.07,-1.97 2.29,1.97, body extent -3.5,-2.07 3.5,2.07, height 0.25
FP-SOT23-MFG [mm]
  rect 0.9x0.8 smd paste+0 mask+0: 1(-1,0.95) 2(-1,-0.95) 3(1,0)
  silkscreen extent -0.17,-1.5 0.7,1.5, body extent -1.55,-1.6 1.55,1.6, height 0.25
FP-ST-025BH-MFG [mm]
  rect 2.5x2.5 smd paste+0 mask+0: 1(-3.5,-3.5) 2(3.5,-3.5) 3(3.5,3.5) 4(-3.5,3.5)
  silkscreen extent -5.45,-4 4,4, body extent -4.85,-4.85 4.85,4.85, height 0.25
FUSC5141X160N [mm]
  rect 1.9x4.44 smd: 1(-2.125,0) 2(2.125,0)
  silkscreen extent 0,-1.93 0,1.93, body extent -2.54,-2.03 2.54,2.03, height 1.6
G125-MH12605M4P [mm]
  round 1.1 hole 0.6: 1(0,0) 2(-1.25,0) 3(-2.5,0) 4(-3.75,0) 5(-5,0) 6(-6.25,0) 7(-7.5,0) 8(-8.75,0) 9(-10,0) 10(-11.25,0) 11(-12.5,0) 12(-13.75,0) 13(-15,0) 14(0,-1.25) 15(-1.25,-1.25) 16(-2.5,-1.25) 17(-3.75,-1.25) 18(-5,-1.25) 19(-6.25,-1.25) 20(-7.5,-1.25) 21(-8.75,-1.25) 22(-10,-1.25) 23(-11.25,-1.25) 24(-12.5,-1.25) 25(-13.75,-1.25) 26(-15,-1.25)
  round 1.1 hole 2.2 unplated: 27(3.9,0) 28(-18.9,0)
  silkscreen extent 0.7,1.75 0.8,1.85, body extent -21.35,-6.15 6.35,1.55, height 5.26
G125-MH15005M4P [mm]
  round 1.1 hole 0.6: 1(0,0) 2(-1.25,0) 3(-2.5,0) 4(-3.75,0) 5(-5,0) 6(-6.25,0) 7(-7.5,0) 8(-8.75,0) 9(-10,0) 10(-11.25,0) 11(-12.5,0) 12(-13.75,0) 13(-15,0) 14(-16.25,0) 15(-17.5,0) 16(-18.75,0) 17(-20,0) 18(-21.25,0) 19(-22.5,0) 20(-23.75,0) 21(-25,0) 22(-26.25,0) 23(-27.5,0) 24(-28.75,0) 25(-30,0) 26(0,-1.25) 27(-1.25,-1.25) 28(-2.5,-1.25) 29(-3.75,-1.25) 30(-5,-1.25) 31(-6.25,-1.25) 32(-7.5,-1.25) 33(-8.75,-1.25) 34(-10,-1.25) 35(-11.25,-1.25) 36(-12.5,-1.25) 37(-13.75,-1.25) 38(-15,-1.25) 39(-16.25,-1.25) 40(-17.5,-1.25) 41(-18.75,-1.25) 42(-20,-1.25) 43(-21.25,-1.25) 44(-22.5,-1.25) 45(-23.75,-1.25) 46(-25,-1.25) 47(-26.25,-1.25) 48(-27.5,-1.25) 49(-28.75,-1.25) 50(-30,-1.25)
  round 1.1 hole 2.2 unplated: 51(3.9,0) 52(-33.9,0)
  silkscreen extent 0.7,1.75 0.8,1.85, body extent -36.35,-6.15 6.35,1.55, height 5.26
HDR2X3 [mm] "Connector; Header; 3x2 Position"
  rect 1.5x1.5 hole 0.9: 1(0,0)
  round 1.5 hole 0.9: 2(0,2.54) 3(2.54,0) 4(2.54,2.54) 5(5.08,0) 6(5.08,2.54)
  silkscreen extent -1.27,-1.27 6.35,3.81
J1-0603 [mm] "Chip Resistor, Body 1.6x0.8mm, IPC High Density"
  rect 0.7x0.9 smd: 1(-0.75,0) 2(0.75,0)
  silkscreen extent -0.2,-0.35 0.2,0.35, body extent -0.85,-0.48 0.85,0.48, height 0.9
JST_B4B-XH-A(LF)(SN) [mm]
  rect 1.59x1.59 hole 1.06: 1(0,0)
  round 1.59 hole 1.06: 2(2.5,0) 3(5,0) 4(7.5,0)
  silkscreen extent -3.16,-3.4 9.95,2.35, body extent -2.45,-3.4 9.95,2.35, height 7
"LQFP144 0.5mm Pitch" [mm]
  rect 1.5x0.3 smd: 1(0,0) 2(0,-0.5) 3(0,-1) 4(0,-1.5) 5(0,-2) 6(0,-2.5) 7(0,-3) 8(0,-3.5) 9(0,-4) 10(0,-4.5) 11(0,-5) 12(0,-5.5) 13(0,-6) 14(0,-6.5) 15(0,-7) 16(0,-7.5) 17(0,-8) 18(0,-8.5) 19(0,-9) 20(0,-9.5) 21(0,-10) 22(0,-10.5) 23(0,-11) 24(0,-11.5) 25(0,-12) 26(0,-12.5) 27(0,-13) 28(0,-13.5) 29(0,-14) 30(0,-14.5) 31(0,-15) 32(0,-15.5) 33(0,-16) 34(0,-16.5) 35(0,-17) 36(0,-17.5) 73(21.5,-17.5) 74(21.5,-17) 75(21.5,-16.5) 76(21.5,-16) 77(21.5,-15.5) 78(21.5,-15) 79(21.5,-14.5) 80(21.5,-14) 81(21.5,-13.5) 82(21.5,-13) 83(21.5,-12.5) 84(21.5,-12) 85(21.5,-11.5) 86(21.5,-11) 87(21.5,-10.5) 88(21.5,-10) 89(21.5,-9.5) 90(21.5,-9) 91(21.5,-8.5) 92(21.5,-8) 93(21.5,-7.5) 94(21.5,-7) 95(21.5,-6.5) 96(21.5,-6) 97(21.5,-5.5) 98(21.5,-5) 99(21.5,-4.5) 100(21.5,-4) 101(21.5,-3.5) 102(21.5,-3) 103(21.5,-2.5) 104(21.5,-2) 105(21.5,-1.5) 106(21.5,-1) 107(21.5,-0.5) 108(21.5,0)
  rect 0.3x1.5 smd: 37(2,-19.5) 38(2.5,-19.5) 39(3,-19.5) 40(3.5,-19.5) 41(4,-19.5) 42(4.5,-19.5) 43(5,-19.5) 44(5.5,-19.5) 45(6,-19.5) 46(6.5,-19.5) 47(7,-19.5) 48(7.5,-19.5) 49(8,-19.5) 50(8.5,-19.5) 51(9,-19.5) 52(9.5,-19.5) 53(10,-19.5) 54(10.5,-19.5) 55(11,-19.5) 56(11.5,-19.5) 57(12,-19.5) 58(12.5,-19.5) 59(13,-19.5) 60(13.5,-19.5) 61(14,-19.5) 62(14.5,-19.5) 63(15,-19.5) 64(15.5,-19.5) 65(16,-19.5) 66(16.5,-19.5) 67(17,-19.5) 68(17.5,-19.5) 69(18,-19.5) 70(18.5,-19.5) 71(19,-19.5) 72(19.5,-19.5) 109(19.5,2) 110(19,2) 111(18.5,2) 112(18,2) 113(17.5,2) 114(17,2) 115(16.5,2) 116(16,2) 117(15.5,2) 118(15,2) 119(14.5,2) 120(14,2) 121(13.5,2) 122(13,2) 123(12.5,2) 124(12,2) 125(11.5,2) 126(11,2) 127(10.5,2) 128(10,2) 129(9.5,2) 130(9,2) 131(8.5,2) 132(8,2) 133(7.5,2) 134(7,2) 135(6.5,2) 136(6,2) 137(5.5,2) 138(5,2) 139(4.5,2) 140(4,2) 141(3.5,2) 142(3,2) 143(2.5,2) 144(2,2)
  silkscreen extent 1.29,-18.21 20.21,0.72, body extent -0.25,-19.74 21.75,2.26, height 1.59
MOLX-47589-0001_V [mm] "SMD, 5-Leads, Body 7.5x5.6mm, Pitch 0.65mm"
  rect 0.4x1.35 smd: 1(-1.3,1.175) 2(-0.65,1.175) 3(0,1.175) 4(0.65,1.175) 5(1.3,1.175)
  oval 1.05x1.25 hole 0.65 slot 0.85 at 90 deg: 6(-2.225,1.5) 7(2.225,1.5)
  oval 1.2x1.9 hole 0.6 slot 1.3 at 90 deg: 8(-4.175,-1.5) 11(4.175,-1.5)
  rect 1.8x1.9 smd: 9(-1.15,-1.5) 10(1.15,-1.5)
  Top Layer region: 2.6,-2.45 4.175,-2.45 4.175,-0.55 2.6,-0.55
  Top Layer region: -2.6,-0.55 -4.175,-0.55 -4.175,-2.45 -2.6,-2.45
  silkscreen extent -3.75,-4.25 3.75,2.53, body extent -4.32,-4.25 4.32,1.64, height 2.74
MOLX-104031-0811_V [mm] "Micro SD, 8-Leads, Body 11.95x11.4mm, Pitch 1.1mm"
  rect 0.85x1.1 smd: 1(3.113,-5.413) 2(2.012,-5.413) 3(0.913,-5.413) 4(-0.188,-5.413) 5(-1.287,-5.413) 6(-2.388,-5.413) 7(-3.487,-5.413)
  rect 0.75x1.1 smd: 8(-4.538,-5.413)
  rect 1.2x1 smd: 9(5.748,0.737) 10(5.748,4.438)
  rect 1.55x1.35 smd: 11(5.572,-5.287)
  rect 1.17x1.8 smd: 12(-5.748,-5.062)
  rect 1.9x1.35 smd: 13(-3.722,5.413) 14(2.247,5.413)
  silkscreen extent -5.97,-6.64 5.98,5.74, body extent -5.97,-5.66 5.98,5.74, height 1.45
MOSFET_DT-T1-GE3_VIS [mil]
  rect 27x16 smd: 1(-59.5,38.38) 2(-59.5,12.8) 3(-59.5,-12.8) 4(-59.5,-38.39) 5(59.5,-38.39) 6(59.5,-12.8) 7(59.5,12.8) 8(59.5,38.38)
  rect 41x96 smd paste-47.5: 9(15.5,0)
  rect 22x96 smd: 10(-29.78,0)
  silkscreen extent -66,-66 66,66, body extent -60,-60 60,60, height 30